# Altium PCB udemy_osman.PcbDoc (part 1 of 2)
Units mm, origin at the board's own origin, x right, y up, seen from the top; angles counter-clockwise.
Board outline 100 x 93 mm, 4 copper layers (Top Layer, Ground, Power, Bottom Layer), stack 1.369 mm thick; 121 components, 86 nets, 439 pads, 115 vias.
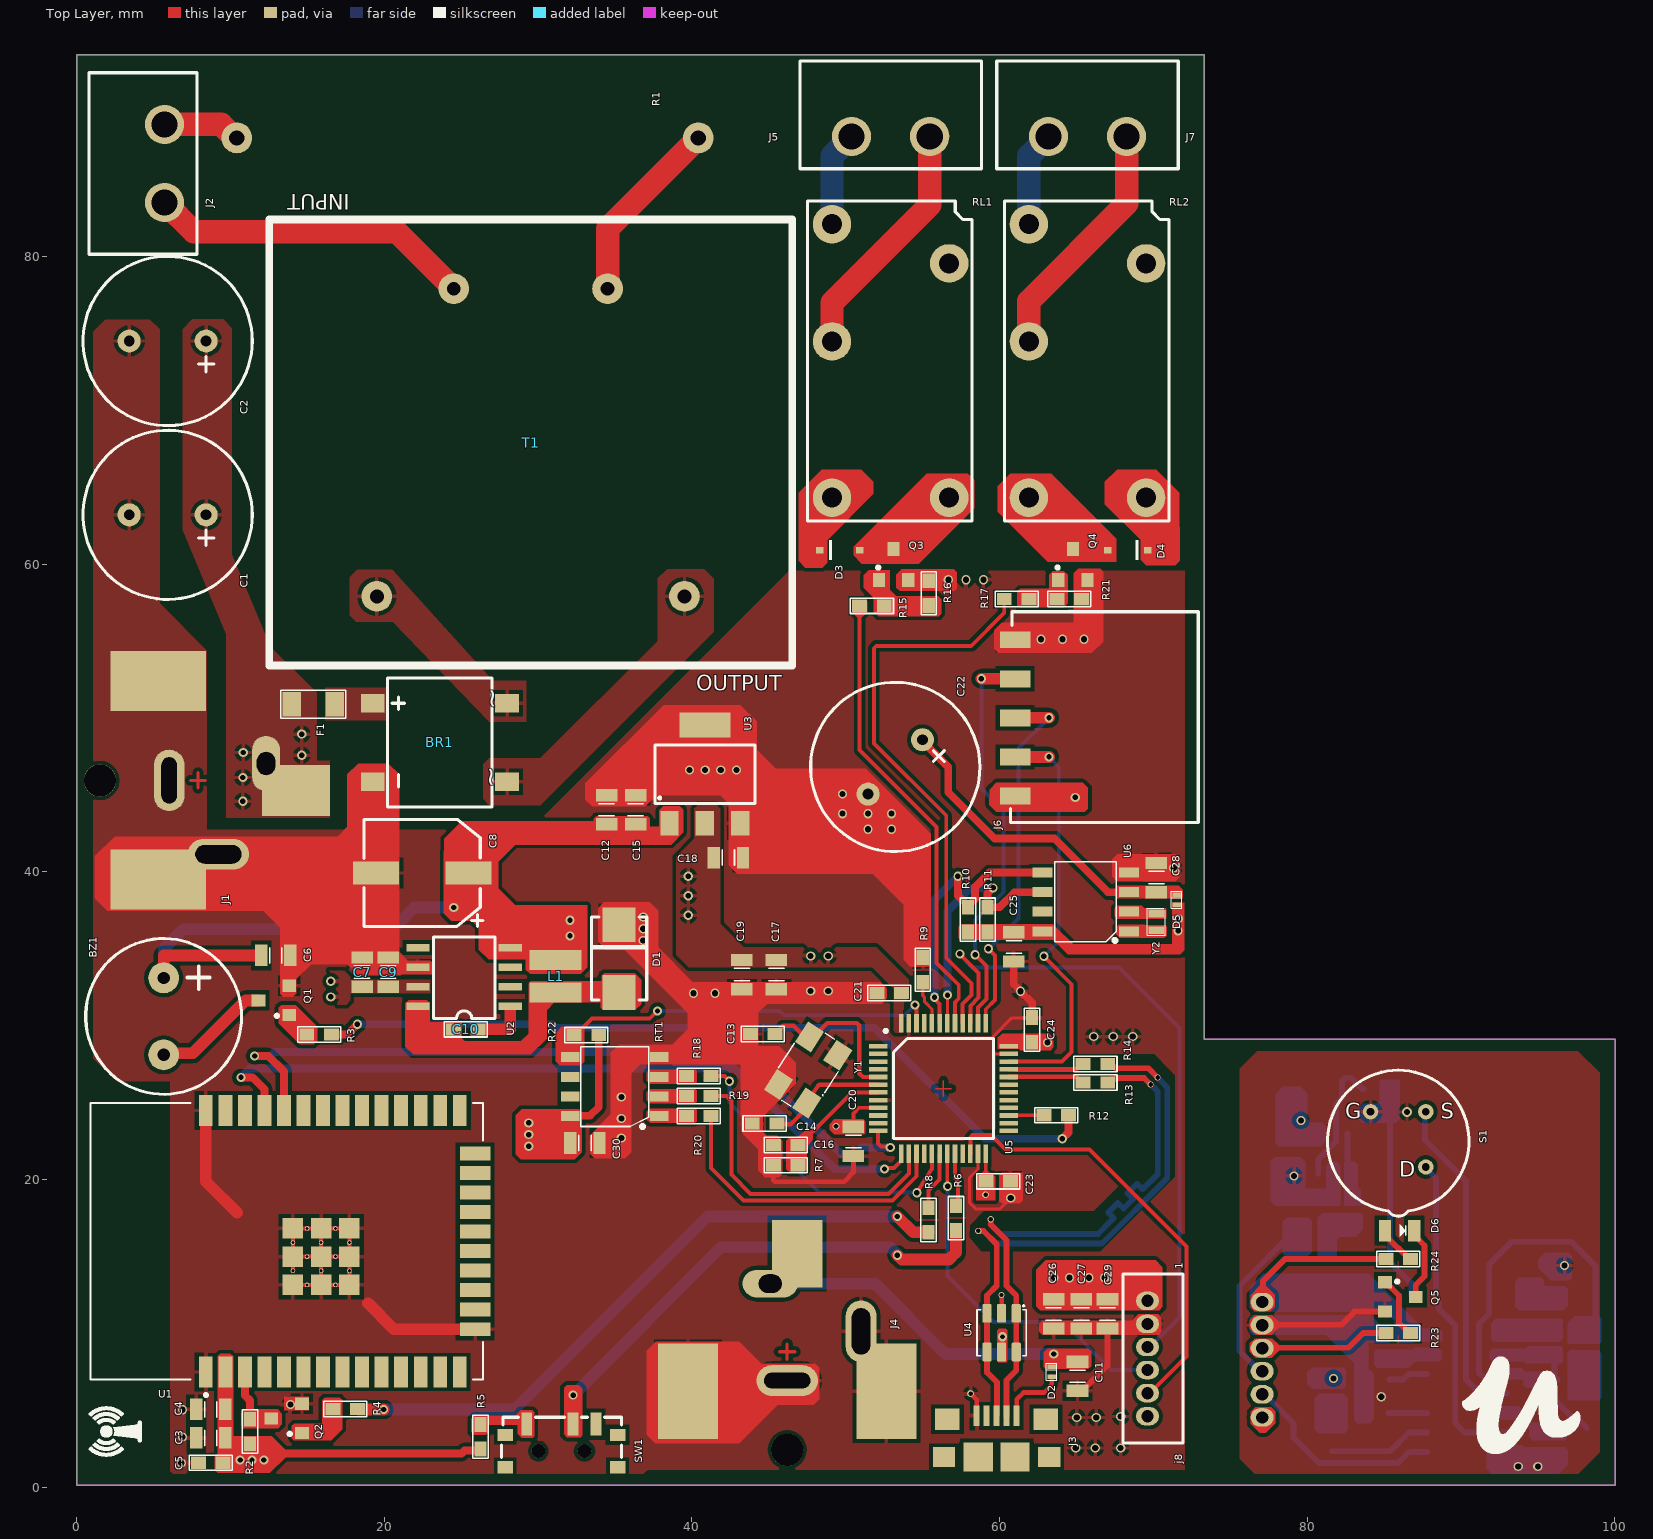
[diagram p0: Top Layer view]
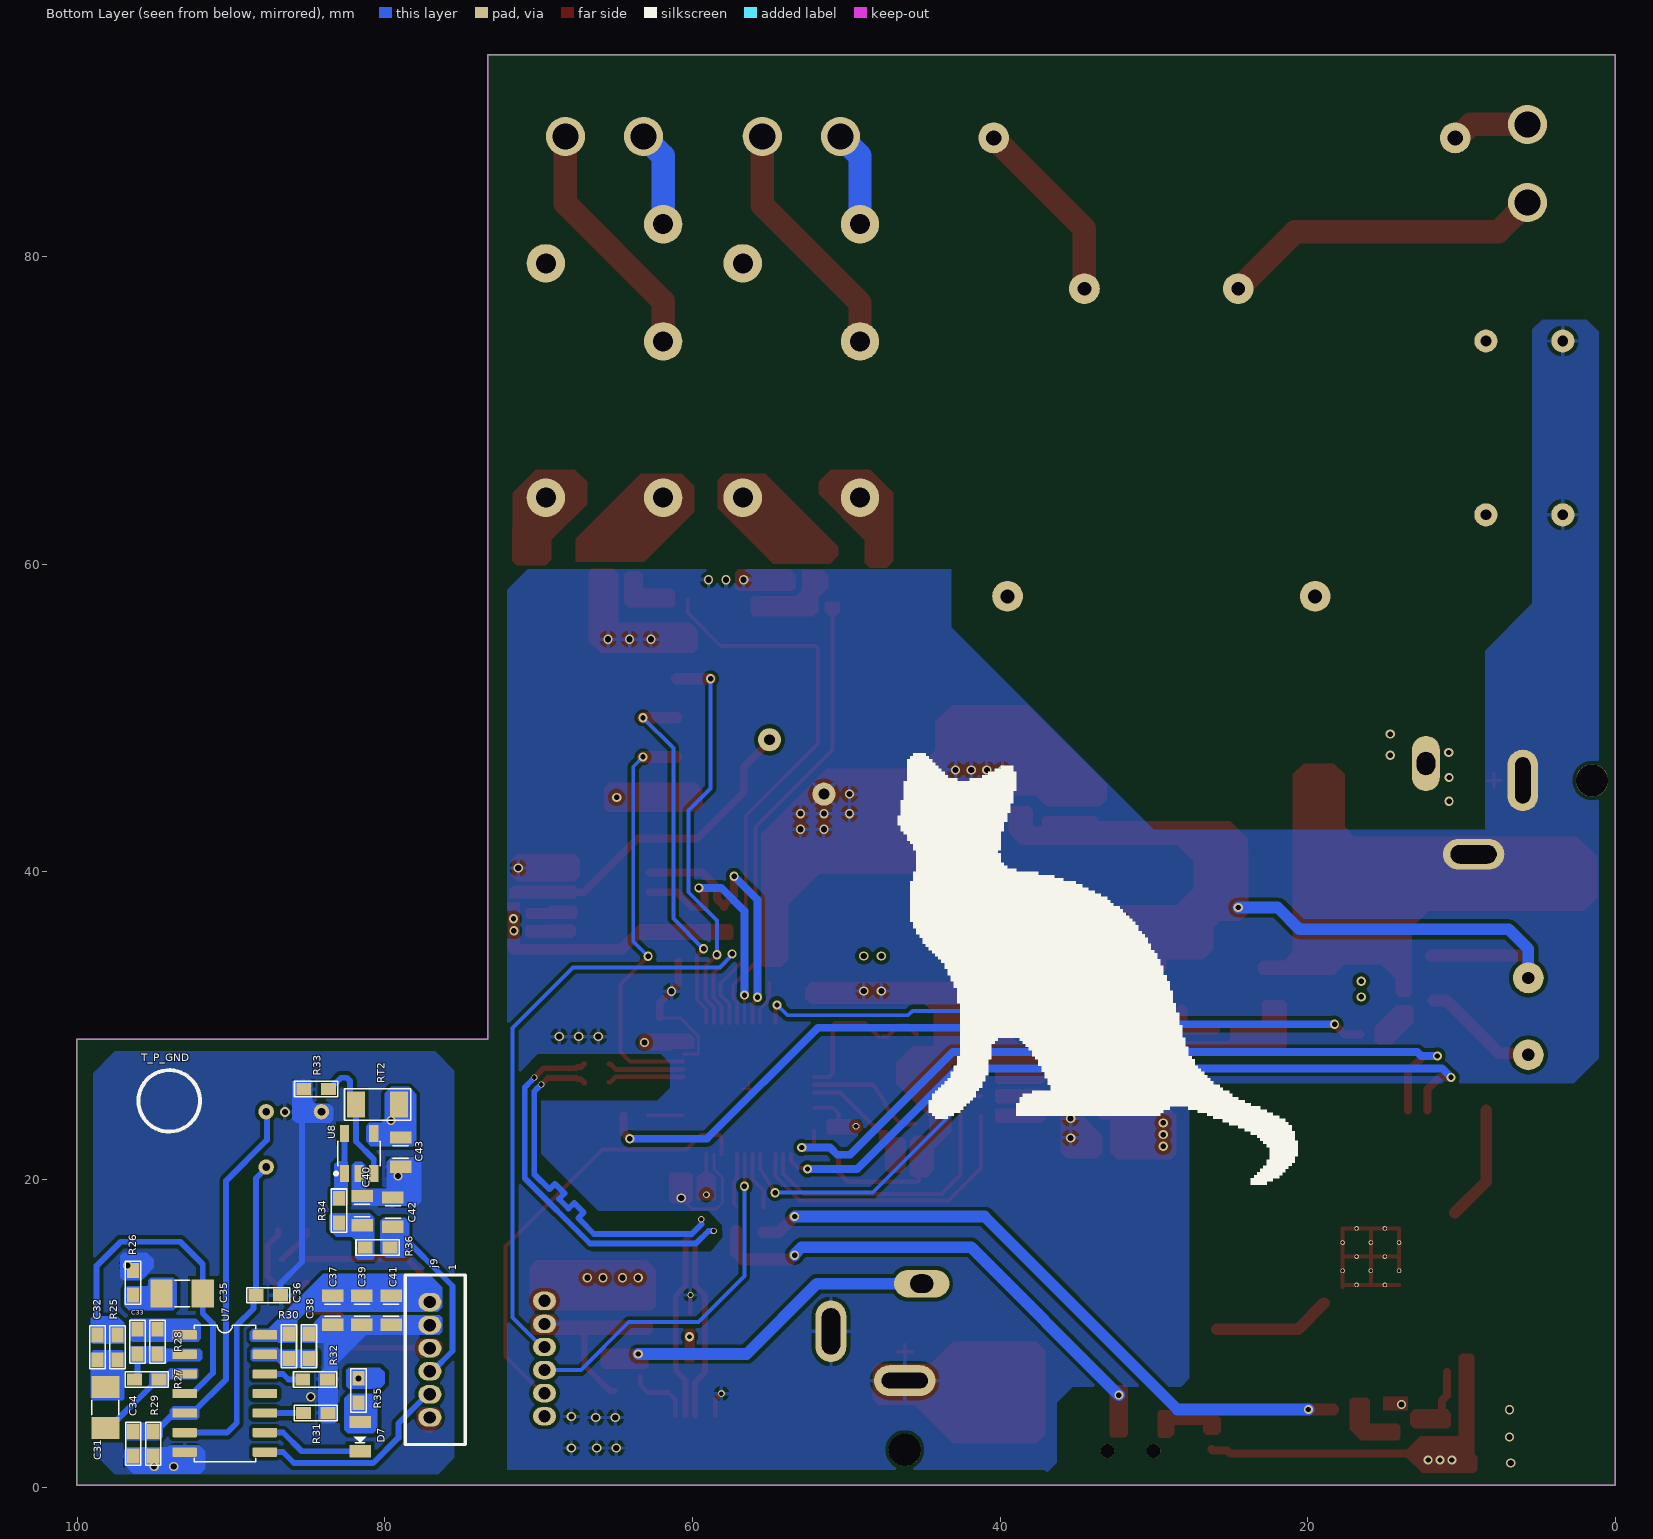
[diagram p1: Bottom Layer view, seen from below]
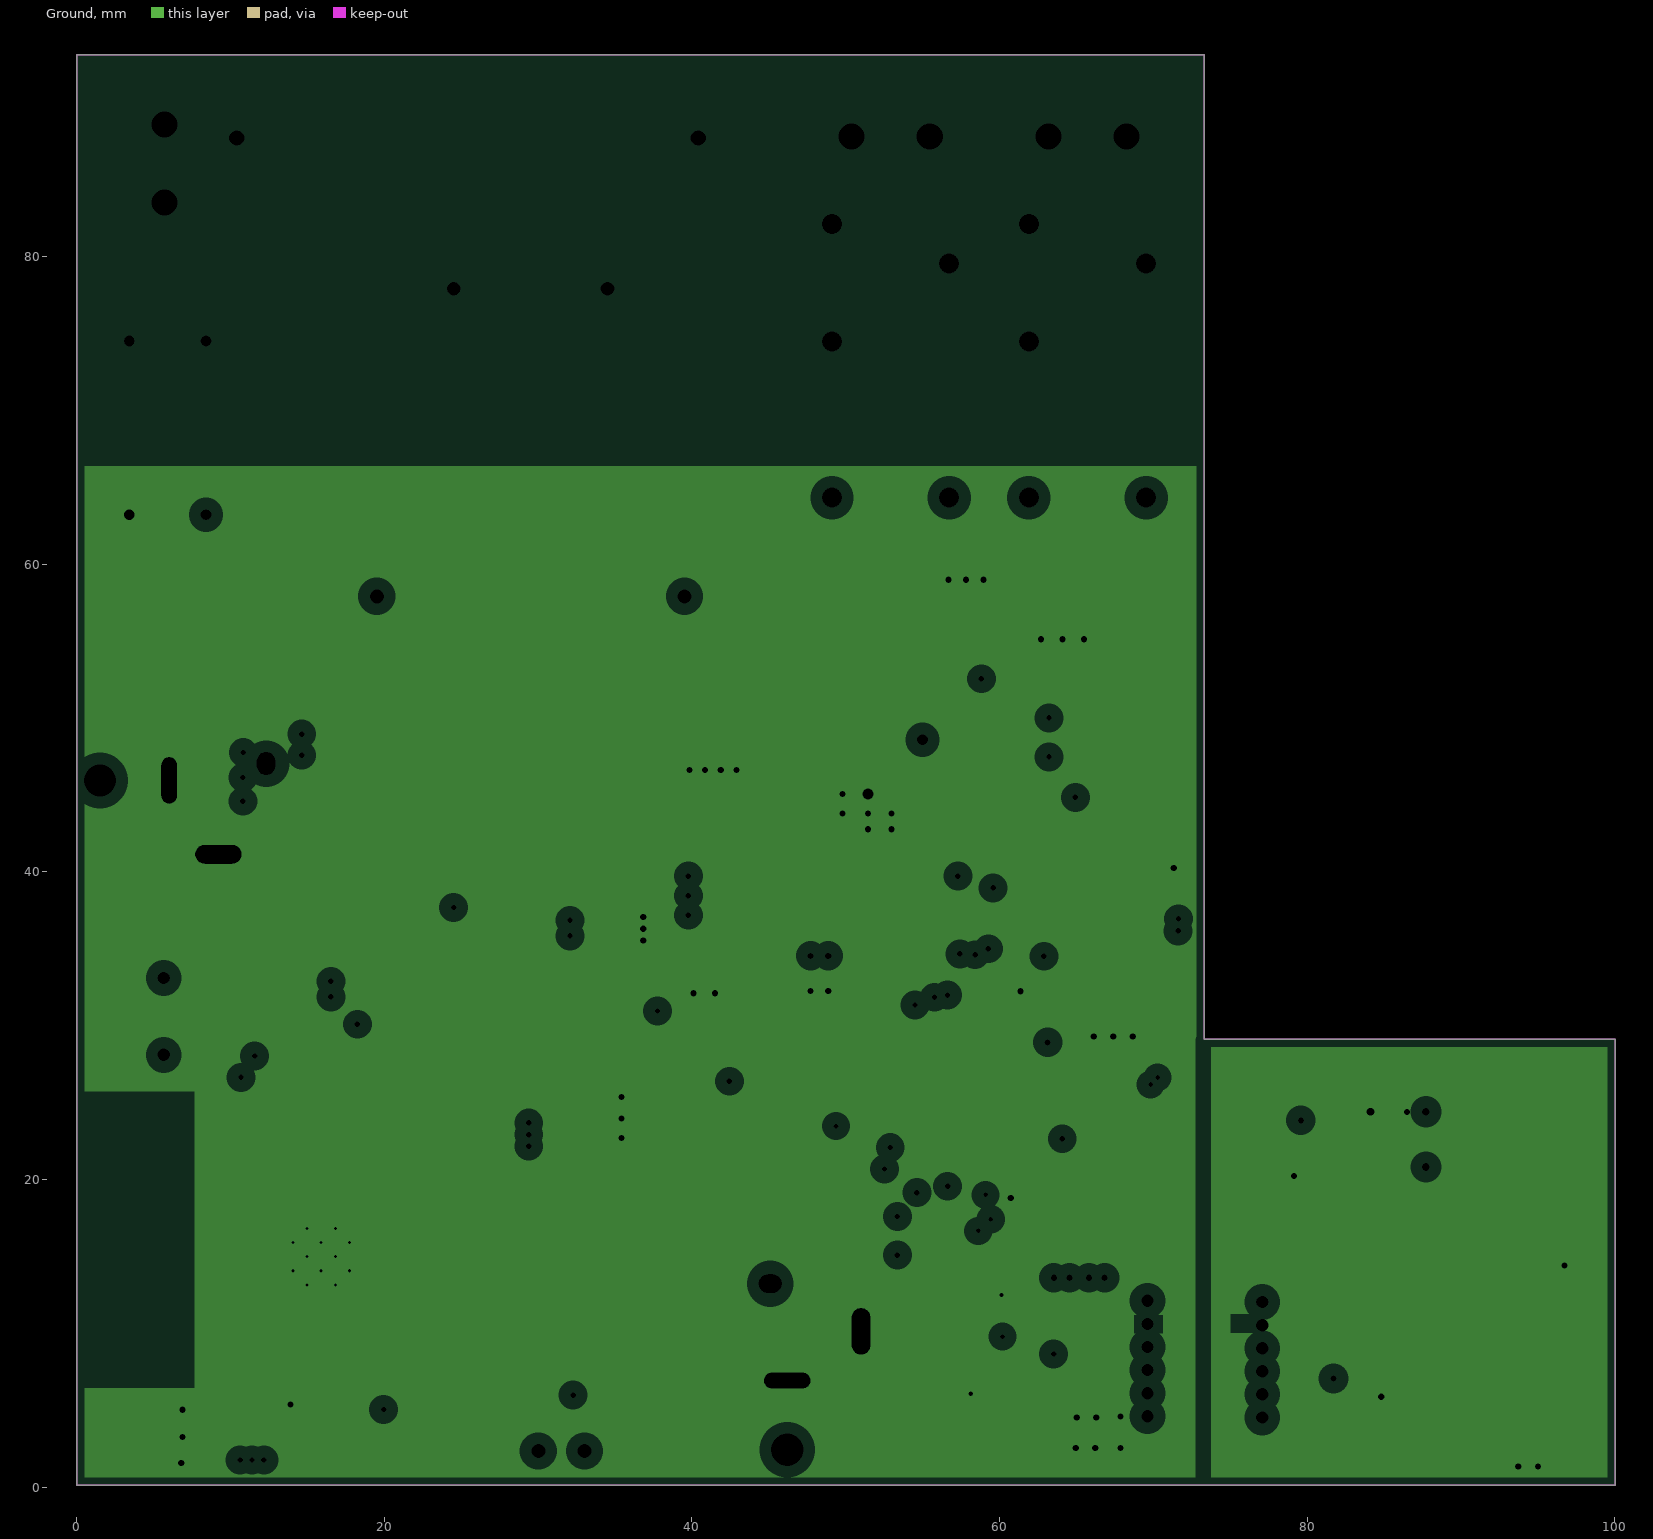
[diagram p2: Ground, clearances drawn from the general rule]
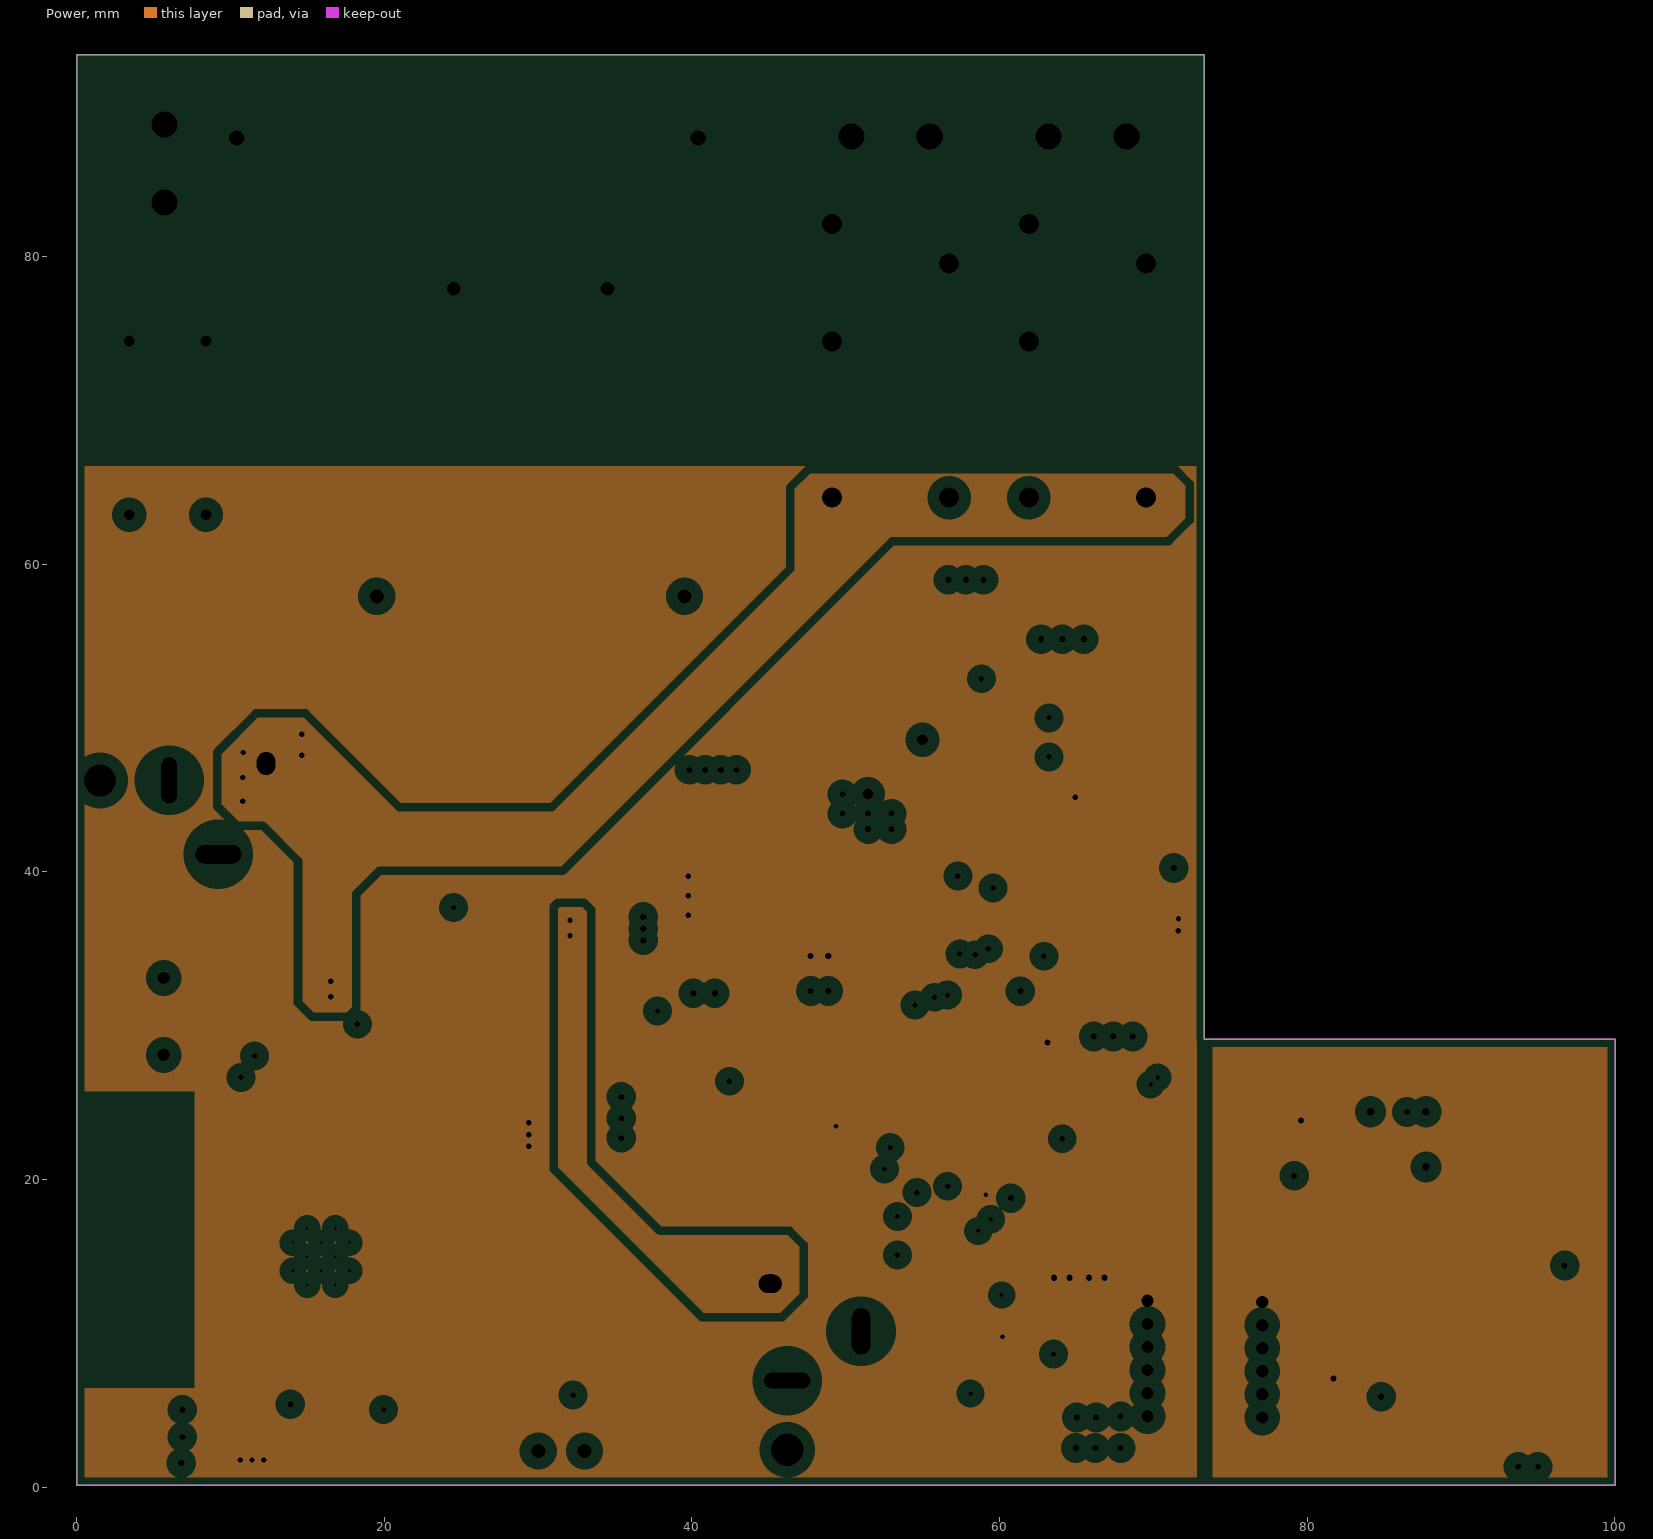
[diagram p3: Power, clearances drawn from the general rule]
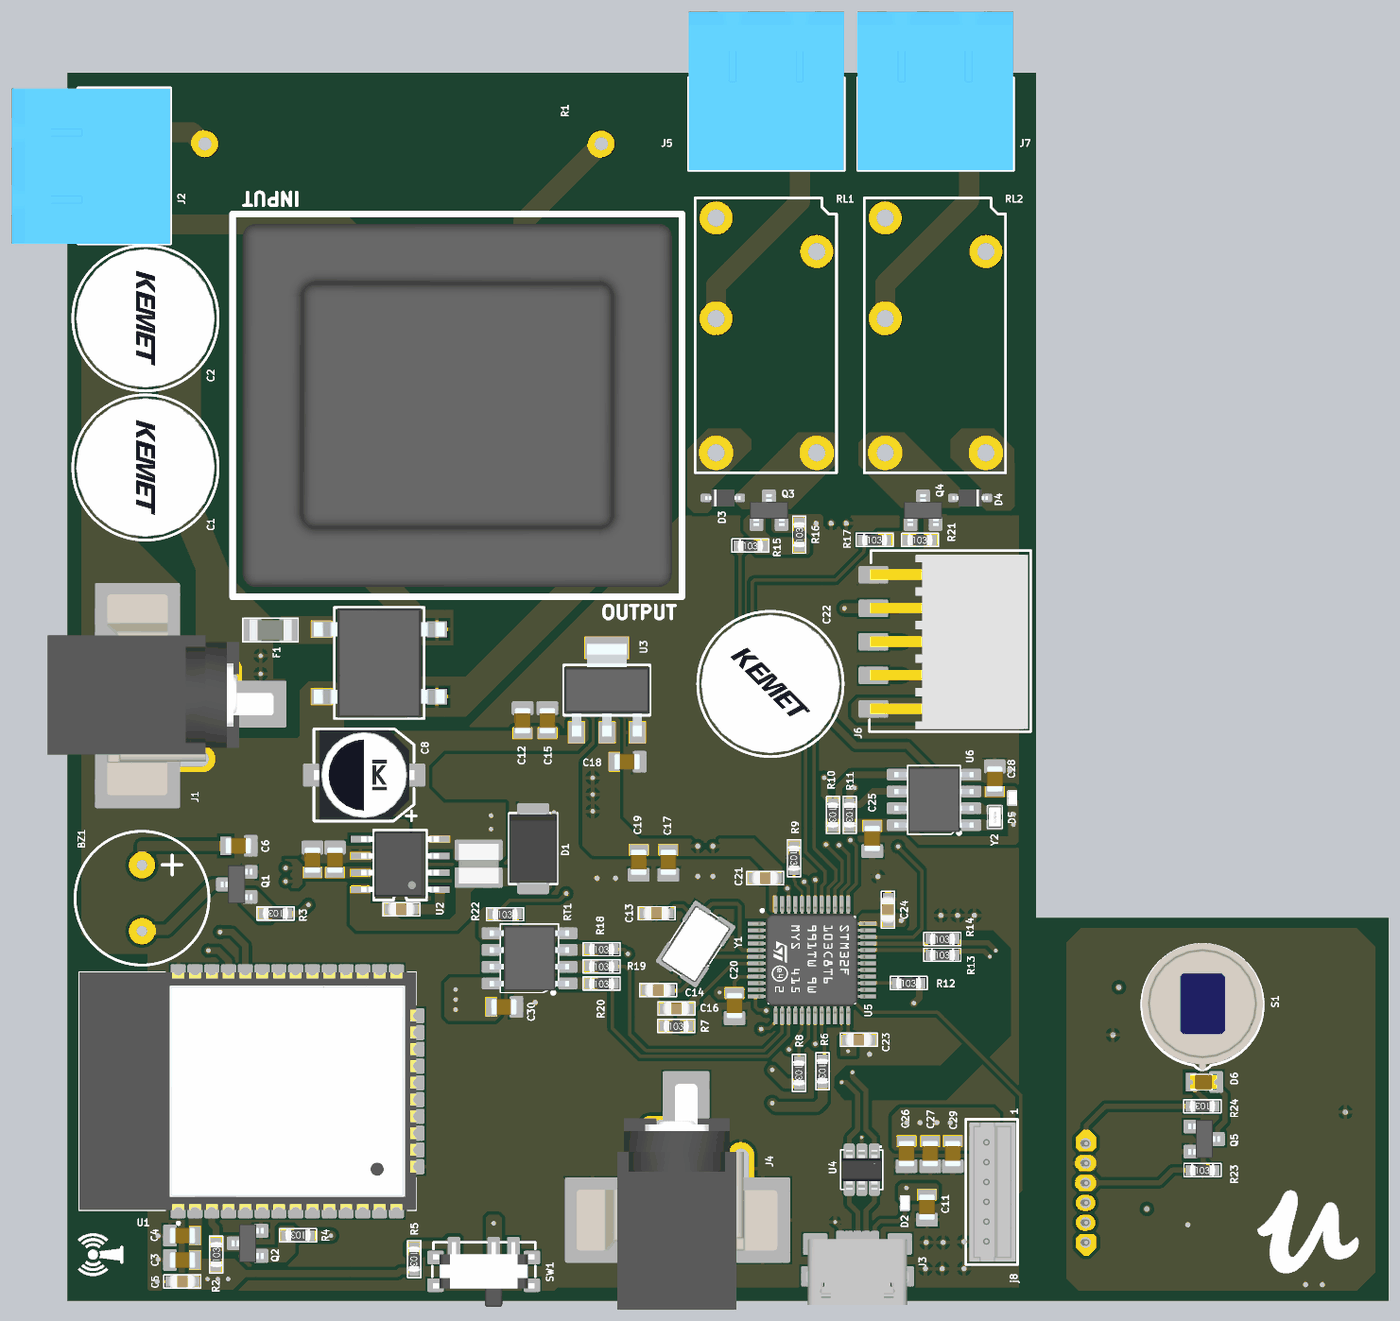
[diagram p5: 3D render of the assembled board from above, using the file's embedded part models]
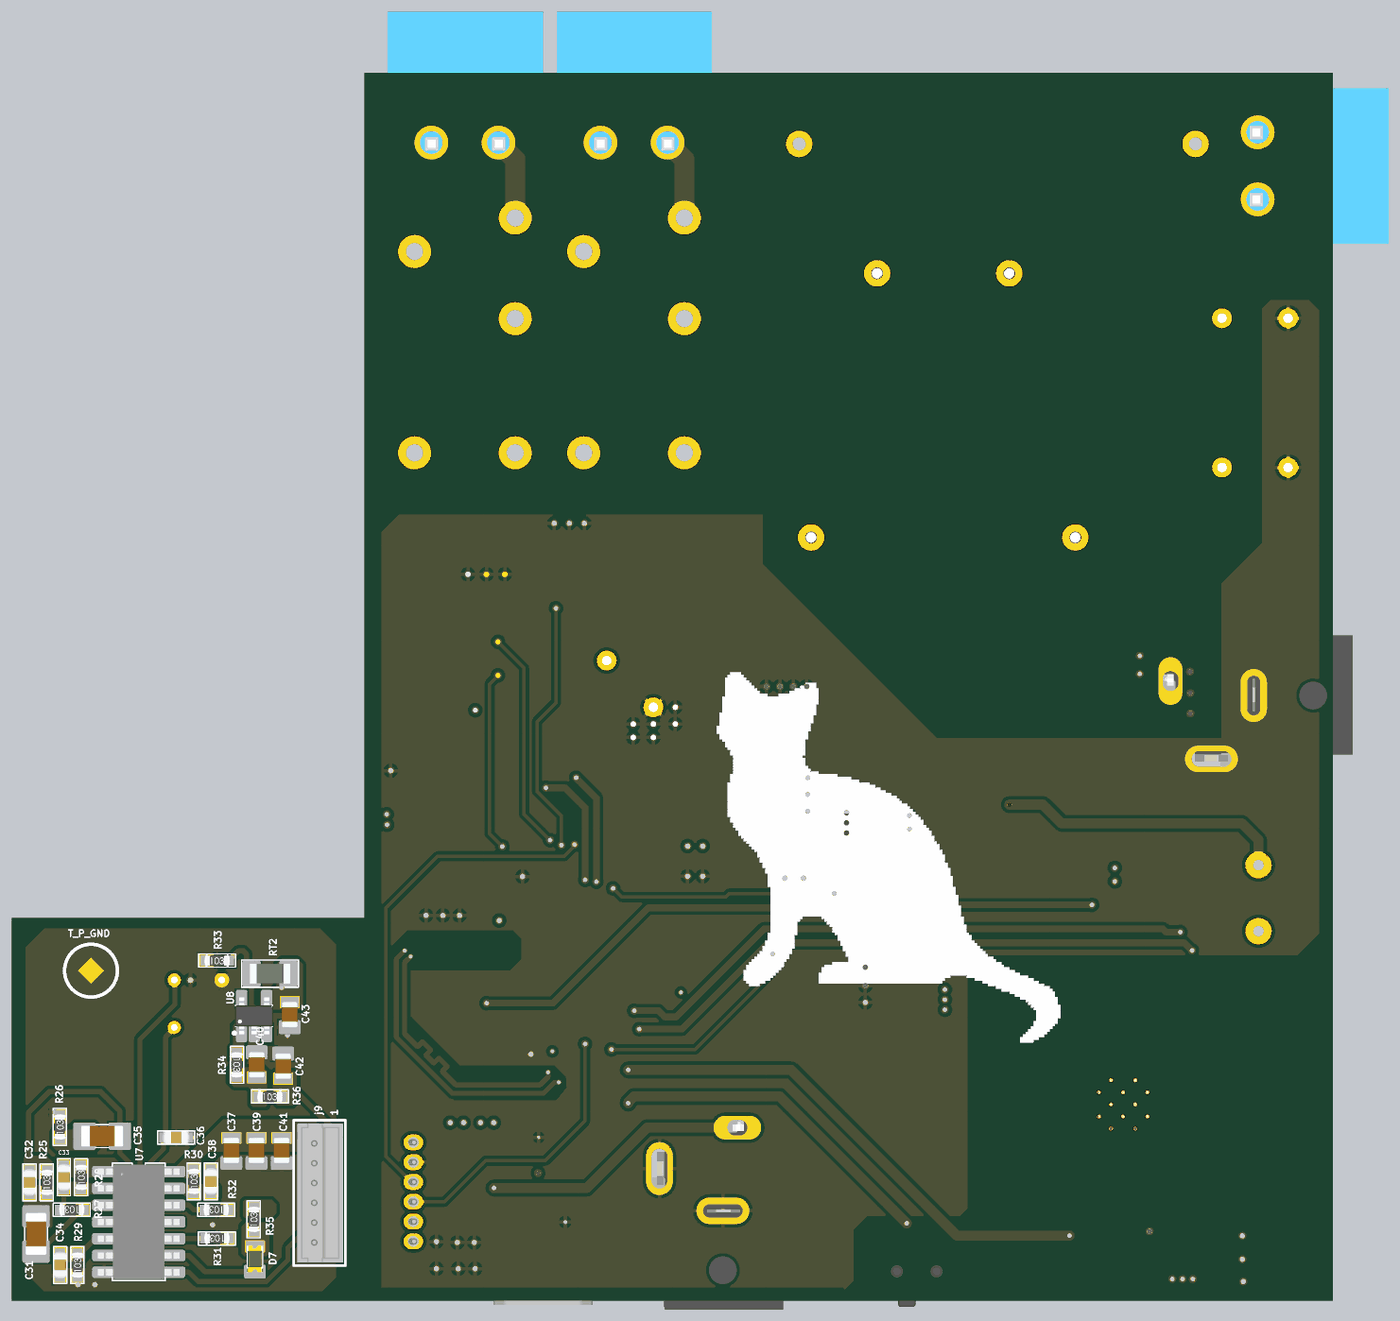
[diagram p6: 3D render of the assembled board from below, using the file's embedded part models]

## Layer stack, top to bottom
Top Solder: solder mask 0.0254, SM-001, Dk 4
Top Layer: signal copper 0.035
Dielectric 1: prepreg 0.1295, PP-017, Dk 4.3
Dielectric 2: prepreg 0.1295, PP-017, Dk 4.3
Ground: plane copper 0.035, net GND
Dielectric 3: core 0.7112, Core-039, Dk 4.8
Power: plane copper 0.035, net (Multiple Nets)
Dielectric 4: prepreg 0.1295, PP-017, Dk 4.3
Dielectric 5: prepreg 0.1295, PP-017, Dk 4.3
Bottom Layer: signal copper 0.035
Bottom Solder: solder mask 0.0254, SM-001, Dk 4

## Board outline
0.02,0.11 0.02,93.11 73.32,93.11 73.32,29.11 100.02,29.11 100.02,0.11

## Design rules (kind name [scope] priority, off if disabled: settings)
Clearance [All] p1: gap=0.178 ignorepadtopadclearanceinfootprint=TRUE except(0: Arc-Text Track-Text SMDPad-Text THPad-Text Via-Text Fill-Text Poly-Text Region-Text Text-Text; 0.152: Via-Via; 0.203: SMDPad-SMDPad SMDPad-THPad THPad-THPad; 0.229: Arc-Hole Track-Hole SMDPad-Hole THPad-Hole Via-Hole Fill-Fill Fill-Poly Fill-Region Fill-Hole Poly-Poly Poly-Region Poly-Hole Region-Region Region-Hole Text-Hole; 0.254: Arc-THPad Arc-Via Track-THPad Track-Via SMDPad-Via THPad-Via)
ComponentClearance [All] p1: gap=0.127 collisioncheckmode=3 verticalgap=0.254 showdistances=FALSE
Creepage [All] p1: checkdistance=0.254 applytopolygonpour=TRUE
DiffPairsRouting DiffPairsRouting_1 [All] p1: maxlimit=0.254 minlimit=0.254 mostfreqgap=0.254 toplayer_minwidth=0.373 toplayer_maxwidth=0.373 toplayer_prefwidth=0.373 bottomlayer_minwidth=0.373 bottomlayer_maxwidth=0.373 bottomlayer_prefwidth=0.373 impedanceprofiledriven=TRUE impedanceprofileid={76ADCF45-583D-4A62-B52F-4F62615F9041} impedanceprofilevalue=90.000000 maxuncoupledlength=12.7
DiffPairsRouting [All] p2: maxlimit=0.178 minlimit=0.178 mostfreqgap=0.178 toplayer_minwidth=0.305 toplayer_maxwidth=0.305 toplayer_prefwidth=0.305 bottomlayer_minwidth=0.305 bottomlayer_maxwidth=0.305 bottomlayer_prefwidth=0.305 impedanceprofiledriven=TRUE impedanceprofileid={5E33720B-AF68-4BD0-AF0C-E9C68FAF6B38} impedanceprofilevalue=90.000000 maxuncoupledlength=12.7
PasteMaskExpansion [All] p1: expansion=0.127
PlaneClearance [All] p1: clearance=0.762
PlaneConnect [All] p1: planeconnectstyle=Relief reliefexpansion=0.381 reliefentries=4 reliefconductorwidth=0.381 reliefairgap=0.254
PolygonConnect [All] p1: connectstyle=Relief reliefconductorwidth=0.254 reliefentries=4 polygonreliefangle="90 Angle" airgapwidth=0.254
RoutingCorners [All] p1: cornerstyle=45-Degree minsetback=2.032 maxsetback=2.032
RoutingVias [All] p1: holewidth=0.3 width=0.5 viastyle="Through Hole" minholewidth=0.25 minwidth=0.4 maxholewidth=0.5 maxwidth=1
SMDEntry [All] p1: side=TRUE corner=TRUE anyangle=FALSE
SMDToCorner [All] p1: distance=150000
SMDToPlane [All] p1: distance=150000
SolderMaskExpansion [All] p1: expansion=0.001 istentingtop=FALSE
UnConnectedPin [All] p1:
Width [All] p1: maxlimit=1.778 minlimit=0.203 preferedwidth=0.279 minimp=50.000000 maximp=50.000000 favimp=50.000000
24 further rules are at their usual default settings.

## Classes and differential pairs
component class "sensor board": C31 C32 C33 C34 C35 C36 C37 C38 C39 C40 C41 C42 C43 D6 D7 j9 Q5 R23 R24 R25 R26 R27 R28 R29 R30 R31 R32 R33 R34 R35 R36 RT2 S1 U7 U8
component class "Power Management": BR1 C1 C2 C7 C8 C9 C10 C11 C12 C15 C17 C18 C26 C27 C29 D1 D2 D3 D4 F1 J2 J3 J4 J5 J6 J7 j8 L1 Q3 Q4 R1 R15 R16 R17 R21 RL1 RL2 T1 U2 U3
component class Microcontroller: BZ1 C3 C4 C5 C6 C13 C14 C16 C19 C20 C21 C22 C23 C24 C25 C28 C30 D5 Q1 Q2 R2 R3 R4 R5 R6 R7 R8 R9 R10 R11 R12 R13 R14 R18 R19 R20 R22 RT1 SW1 U1 U4 U5 U6 Y1 Y2
differential pair MCU: +MCU_P -MCU_N
differential pair USB: +USB_P -USB_N
